# Altium PCB BalloonMBv1 - Copy.PcbDoc
Units mm, origin at the board's own origin, x right, y up, seen from the top; angles counter-clockwise.
Board outline 92.46 x 92.46 mm, 2 copper layers (Top Layer, Bottom Layer); 105 components, 108 nets, 436 pads, 95 vias.
Unrouted connection lines stored in the file: 132.
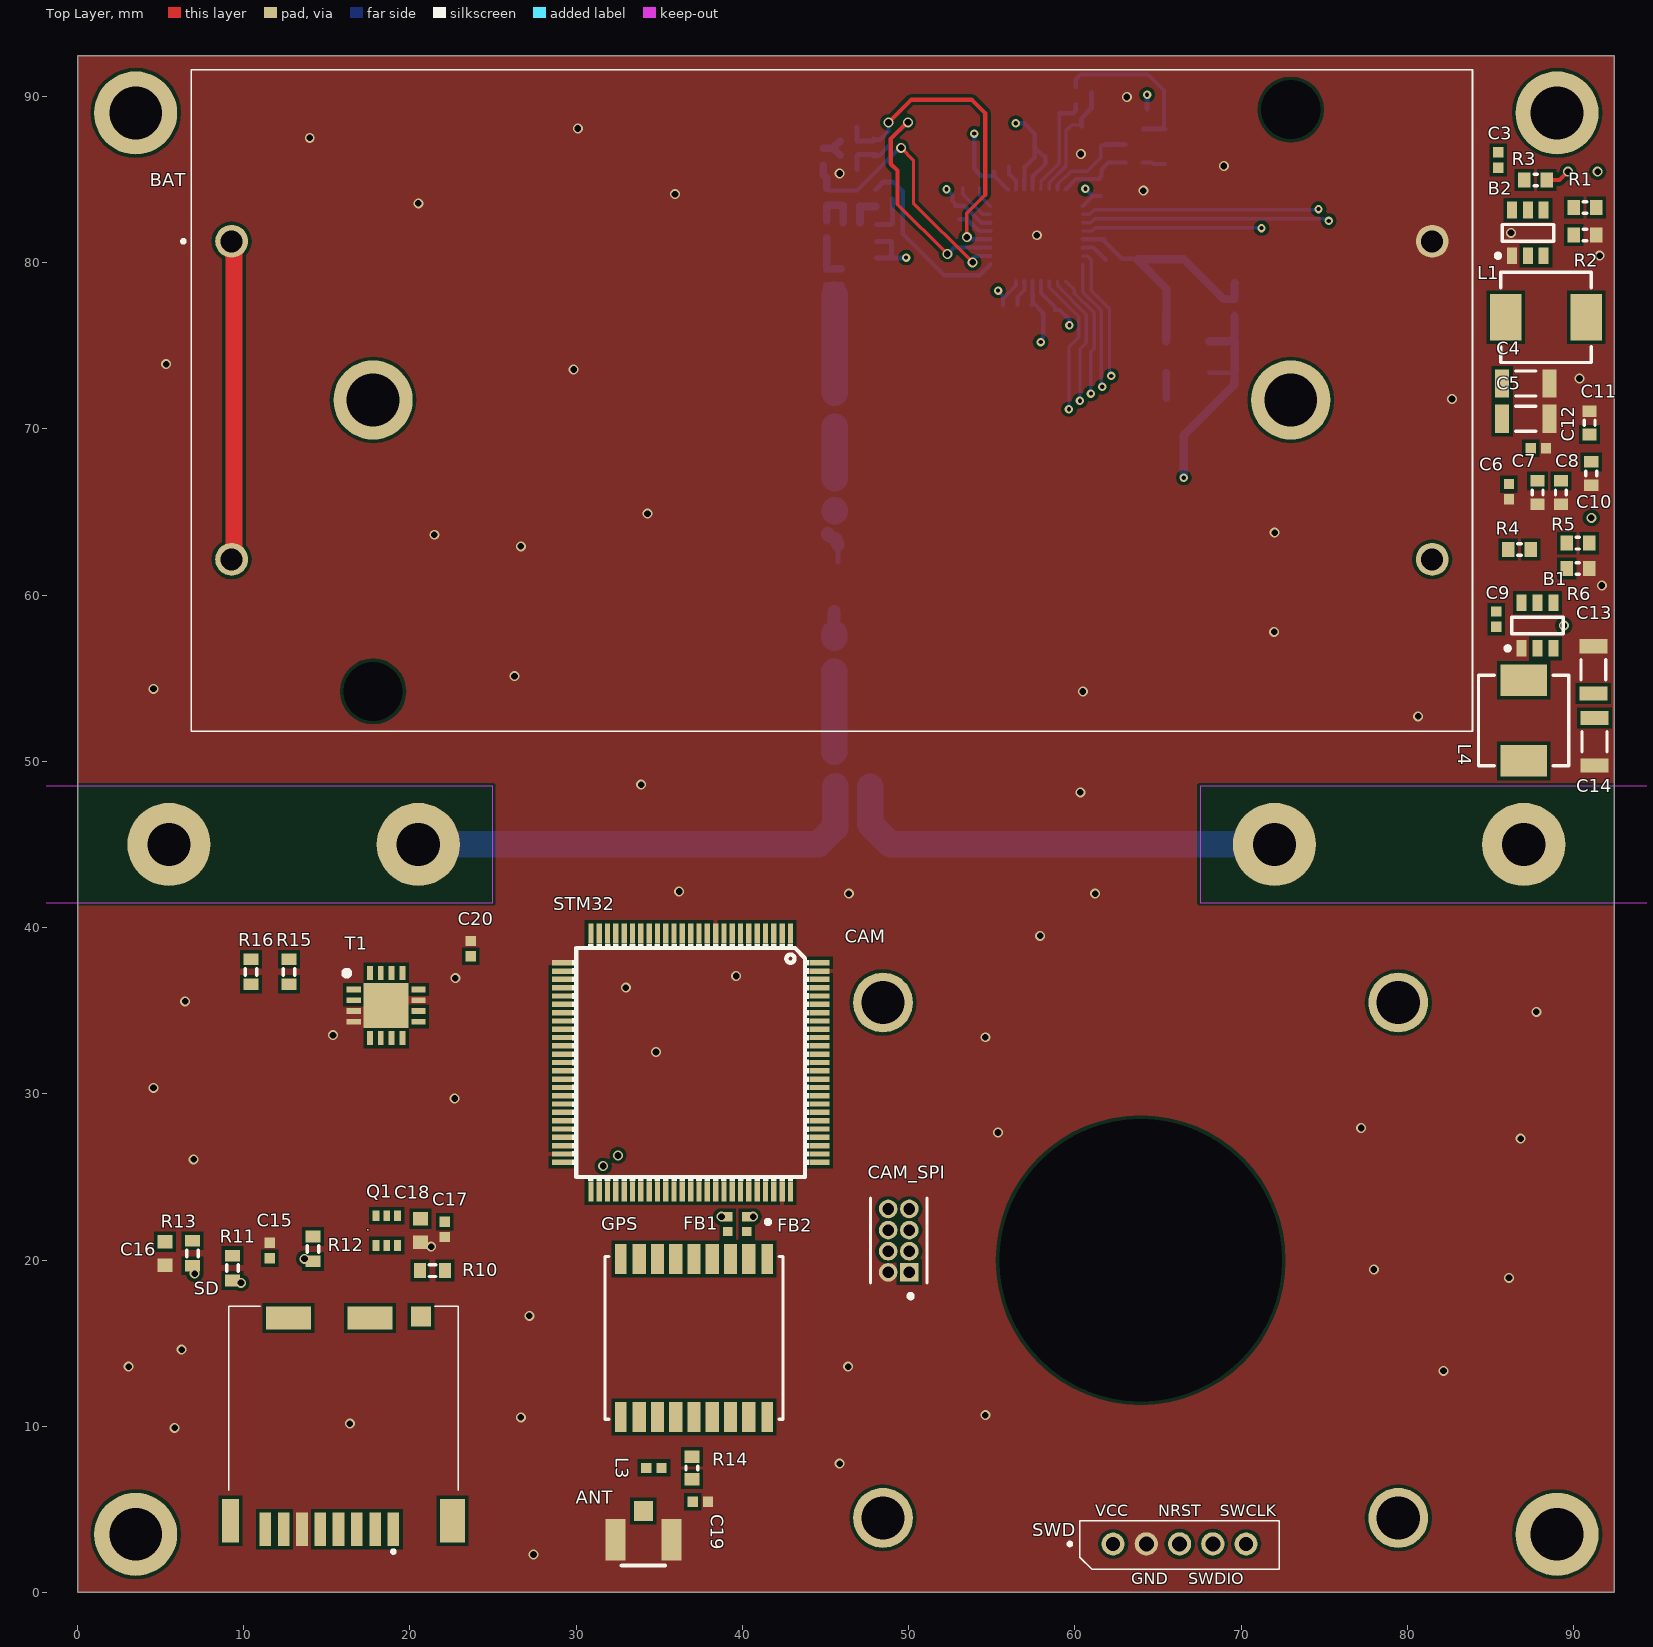
[diagram p0: Top Layer view]
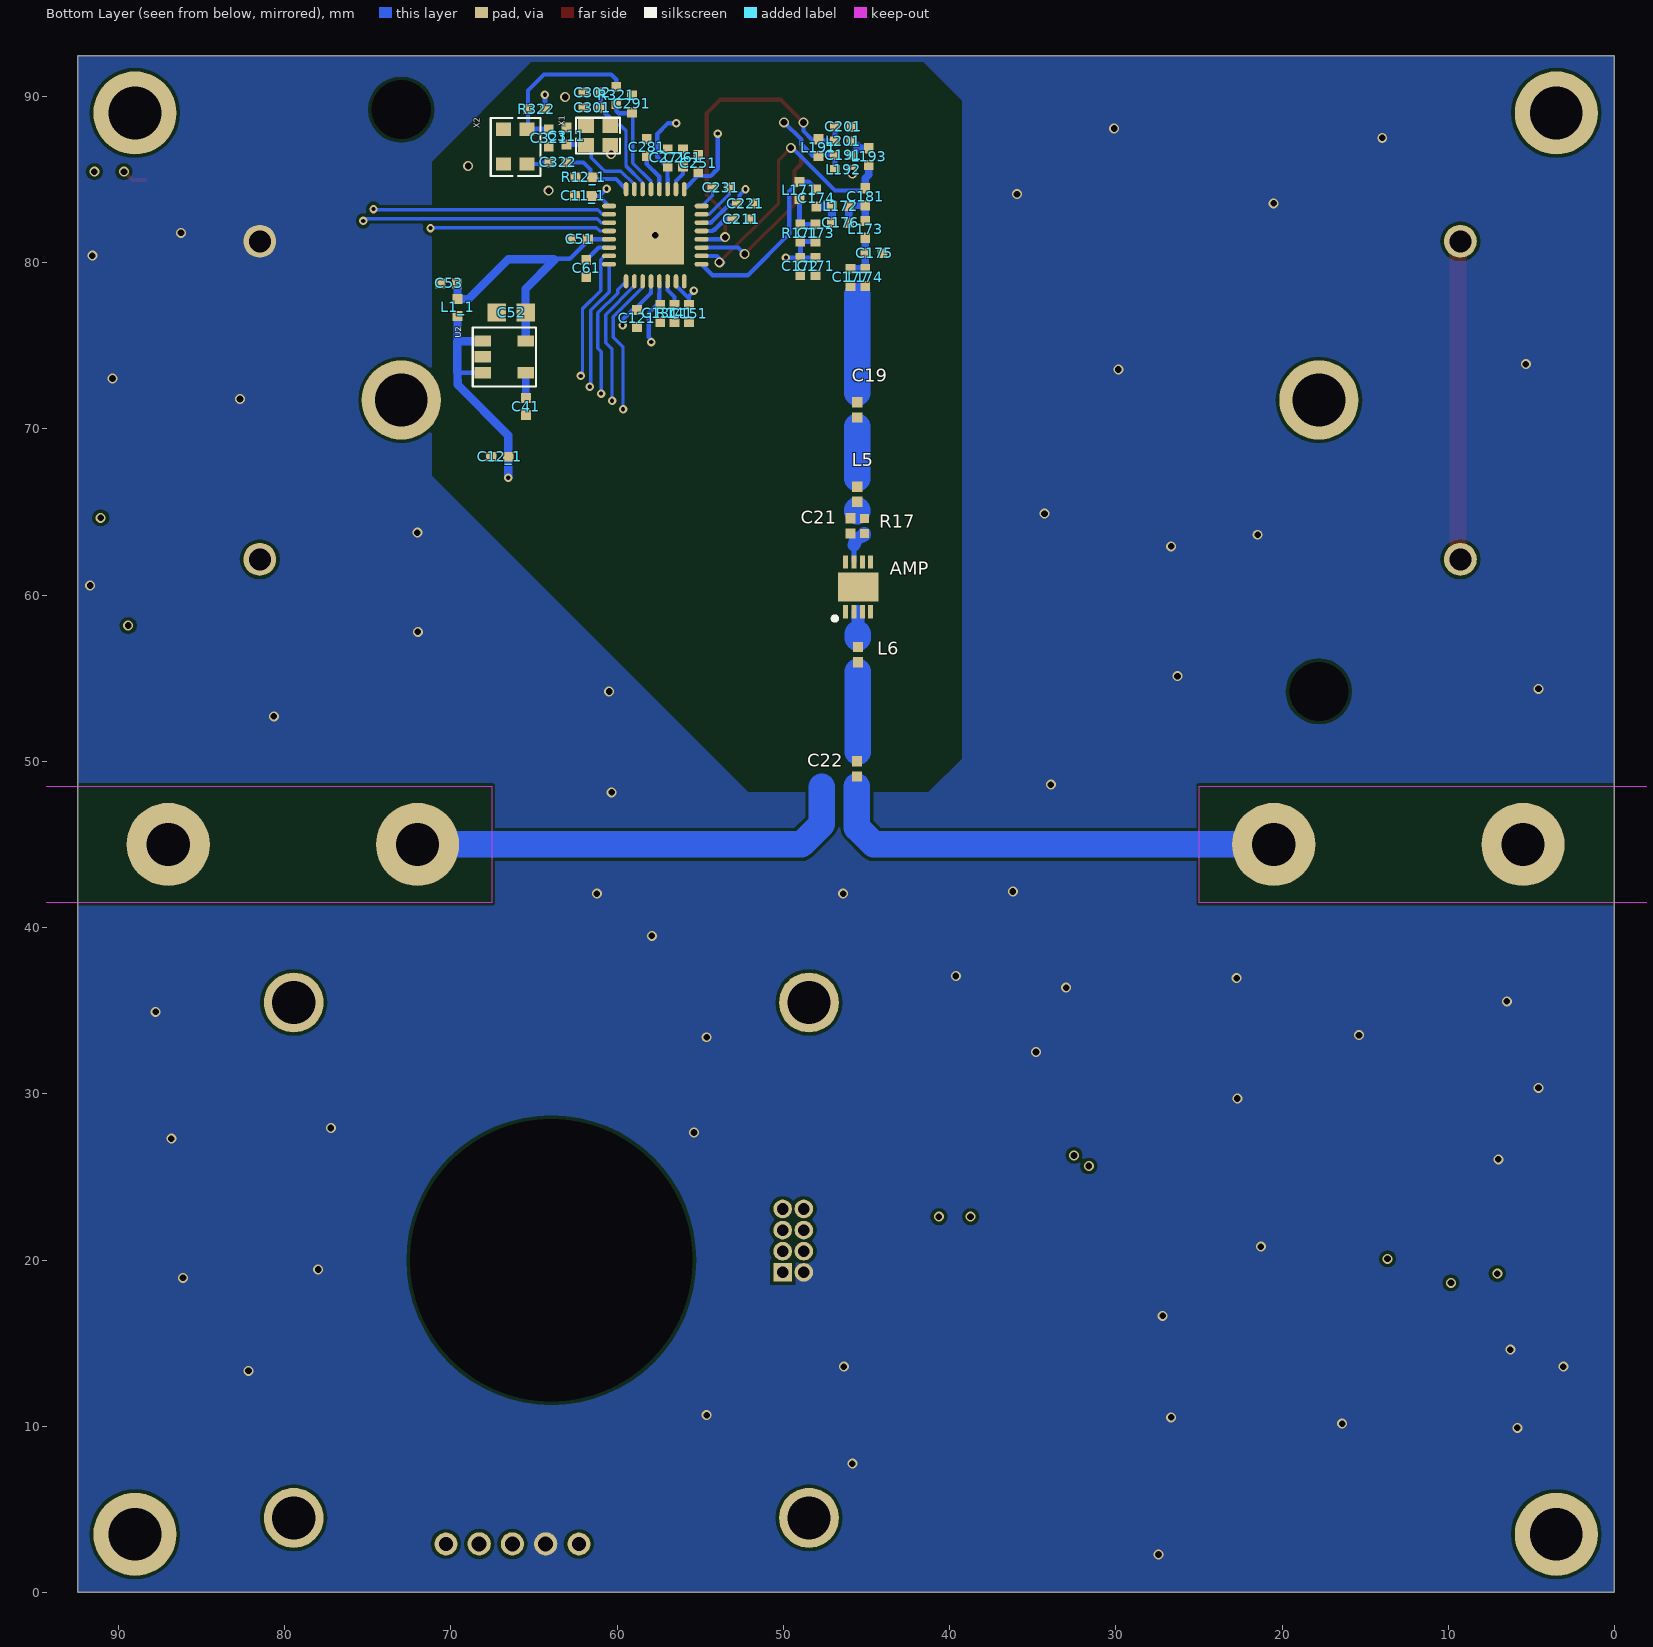
[diagram p1: Bottom Layer view, seen from below]

## Layer stack, top to bottom
Top Solder: solder mask 0.0102, Solder Resist, Dk 3.5
Top Layer: signal copper 0.0356
Dielectric 1: dielectric 0.32, FR-4, Dk 4.8
Bottom Layer: signal copper 0.0356
Bottom Solder: solder mask 0.0102, Solder Resist, Dk 3.5

## Board outline
0,0 92.456,0 92.456,92.456 0,92.456

## Design rules (kind name [scope] priority, off if disabled: settings)
Clearance [All] p1: gap=0.2 ignorepadtopadclearanceinfootprint=FALSE except(0.1: Arc-Arc Arc-Track Arc-SMDPad Track-Track Track-SMDPad SMDPad-SMDPad SMDPad-Hole THPad-THPad THPad-Hole)
ComponentClearance [All] p1: gap=0 collisioncheckmode=3 verticalgap=0 showdistances=FALSE
Height [All] p1: minheight=0 maxheight=40 prefheight=12.7
PolygonConnect [All] p1: connectstyle=Direct reliefconductorwidth=0.254 reliefentries=4 polygonreliefangle="90 Angle" airgapwidth=0.254
RoutingVias [All] p1: holewidth=0.711 width=1.27 viastyle="Through Hole" minholewidth=0.711 minwidth=1.27 maxholewidth=0.711 maxwidth=1.27
SolderMaskExpansion [All] p1: expansion=0.102
Width [All] p1: maxlimit=1.6 minlimit=0.1 preferedwidth=0.2 minimp=50.000000 maximp=50.000000 favimp=50.000000 checkconnectedcopper=TRUE
28 further rules are at their usual default settings.

## Components (designator, comment, footprint, x,y, rotation, side; value= is the part's Value field where it differs from the comment)
AMP "Comment" BGA6130 45.495,60.487 r90 bottom
ANT "Comment" RECE.20279.001E.01 34.036,3.175 r180 top
B1 "Comment" SOT95P280X110-6N 87.825,58.166 r90 top
B2 "Comment" SOT95P280X110-6N 87.249,81.788 r90 top
BAT "Comment" 1049P 9.271,81.28 r0 top locked
C3 "Comment" CAP_0402_M 85.471,86.167 r270 top
C4 "Comment" CAPC3216X09L 87.122,72.724 r0 top
C5 "Comment" CAPC3216X09L 87.122,70.612 r0 top
C6 "Comment" CAP_0402_M 86.106,66.215 r90 top
C7 "Comment" CAP_0603 87.825,66.167 r270 top
C8 "Comment" CAP_0603 89.237,66.167 r270 top
C9 "Comment" CAP_0402_M 85.344,58.547 r270 top
C10 "Comment" CAP_0603 91.059,67.31 r270 top
C11 "Comment" CAP_0603 90.953,70.358 r90 top
C11_1 "Comment" "0402 (REFLOW LF)" 62.028,84.005 r180 bottom
C12 "Comment" CAP_0402_M 87.876,68.834 r180 top
C12_1 "Comment" "0402 (REFLOW LF)" 67.056,68.326 r0 bottom
C13 "Comment" CAPC3216X09L 91.186,55.499 r90 top
C14 "Comment" CAPC3216X09L 91.254,51.181 r270 top
C15 "Comment" CAP_0402_M 11.557,20.574 r90 top
C16 "Comment" 1608[0603] 5.272,20.392 r90 top
C17 "Comment" CAP_0402_M 22.098,21.844 r90 top
C18 "Comment" 1608[0603] 20.631,21.774 r90 top
C19 "Comment" CAP_0402_M 45.545,71.143 r90 bottom
C19 "Comment" CAP_0402_M 37.465,5.461 r0 top
C20 "Comment" CAP_0402_M 23.647,38.735 r90 top
C21 "Comment" CAP_0402_M 45.952,64.158 r90 bottom
C22 "Comment" CAP_0402_M 45.571,49.54 r90 bottom
C41 "Comment" "0402 (REFLOW LF)" 65.483,71.335 r270 bottom
C51 "Comment" "0402 (REFLOW LF)" 62.267,81.404 r180 bottom
C52 "Comment" "0603 (REFLOW)" 66.372,76.994 r0 bottom
C53 "Comment" "0402 (REFLOW LF)" 70.131,78.747 r0 bottom
C61 "Comment" "0402 (REFLOW LF)" 61.85,79.646 r270 bottom
C121 "Comment" "0402 (REFLOW LF)" 58.802,76.639 r90 bottom
C131 "Comment" "0402 (REFLOW LF)" 57.405,76.937 r90 bottom
C151 "Comment" "0402 (REFLOW LF)" 55.678,76.931 r90 bottom
C171 "Comment" "0402 (REFLOW LF)" 48.063,79.768 r270 bottom
C172 "Comment" "0402 (REFLOW LF)" 48.977,79.768 r270 bottom
C173 "Comment" "0402 (REFLOW LF)" 48.063,81.774 r270 bottom
C174 "Comment" "0402 (REFLOW LF)" 48.012,83.883 r90 bottom
C175 "Comment" "0402 (REFLOW LF)" 44.532,80.555 r180 bottom
C176 "Comment" "0402 (REFLOW LF)" 46.564,82.384 r180 bottom
C177 "Comment" "0402 (REFLOW LF)" 45.952,79.112 r270 bottom
C181 "Comment" "0402 (REFLOW LF)" 45.065,83.959 r270 bottom
C191 "Comment" "0402 (REFLOW LF)" 46.392,86.448 r0 bottom
C201 "Comment" "0402 (REFLOW LF)" 46.392,88.156 r180 bottom
C211 "Comment" "0402 (REFLOW LF)" 52.529,82.608 r180 bottom
C221 "Comment" "0402 (REFLOW LF)" 52.275,83.548 r180 bottom
C231 "Comment" "0402 (REFLOW LF)" 53.748,84.513 r0 bottom
C251 "Comment" "0402 (REFLOW LF)" 55.119,85.961 r270 bottom
C261 "Comment" "0402 (REFLOW LF)" 56.034,86.291 r270 bottom
C271 "Comment" "0402 (REFLOW LF)" 56.948,86.291 r270 bottom
C281 "Comment" "0402 (REFLOW LF)" 58.218,86.926 r270 bottom
C291 "Comment" "0402 (REFLOW LF)" 59.107,89.542 r270 bottom
C301 "Comment" "0402 (REFLOW LF)" 61.495,89.313 r180 bottom
C302 "Comment" "0402 (REFLOW LF)" 61.495,90.228 r180 bottom
C311 "Comment" "0402 (REFLOW LF)" 63.044,87.612 r270 bottom
C321 "Comment" "0402 (REFLOW LF)" 64.111,87.485 r90 bottom
C322 "Comment" "0402 (REFLOW LF)" 63.56,86.022 r180 bottom
CAM "Comment" CAM 63.952,19.989 r270 top locked
CAM_SPI "Comment" Sullins_GRPB042VWVN-RC_0 49.403,21.166 r90 top
FB1 "Comment" RES_0402_M 39.116,22.156 r90 top
FB2 "Comment" RES_0402_M 40.259,22.156 r90 top
GPS "Comment" u-blox_0_MAX_M8Q 37.086,15.316 r90 top locked
L1 "Comment" Vishay_IHLP-2020CZ-FP_1_905x2_79-3D_3_0_MFG 88.336,76.708 r0 top
L1_1 "Comment" "0402 (REFLOW LF)" 69.597,77.299 r90 bottom
L3 "Comment" CAP_0402_M 34.671,7.493 r0 top
L4 "Comment" Vishay_IHLP-2020CZ-FP_1_905x2_79-3D_3_0_MFG 86.995,52.451 r270 top
L5 "Comment" CAP_0402_M 45.545,66.063 r90 bottom
L6 "Comment" CAP_0402_M 45.51,56.411 r90 bottom
L171 "Comment" "0402 (REFLOW LF)" 49.028,84.34 r270 bottom
L172 "Comment" "0402 (REFLOW LF)" 46.564,83.4 r0 bottom
L173 "Comment" "0402 (REFLOW LF)" 45.065,82.003 r90 bottom
L174 "Comment" "0402 (REFLOW LF)" 45.065,79.107 r90 bottom
L191 "Comment" "0402 (REFLOW LF)" 47.885,86.912 r90 bottom
L192 "Comment" "0402 (REFLOW LF)" 46.392,85.591 r0 bottom
L193 "Comment" "0402 (REFLOW LF)" 44.862,86.372 r90 bottom
L201 "Comment" "0402 (REFLOW LF)" 46.392,87.305 r0 bottom
Q1 "Comment" Si1401EDH 17.951,20.873 r0 top
R1 "Comment" RES_0603 90.678,83.312 r0 top
R2 "Comment" RES_0603 90.678,81.661 r0 top
R3 "Comment" RES_0603 87.711,84.963 r0 top
R4 "Comment" RES_0603 86.741,62.738 r0 top
R5 "Comment" RES_0603 90.254,63.119 r0 top
R6 "Comment" RES_0603 90.254,61.595 r0 top
R10 "Comment" J1-0603 21.355,19.361 r0 top
R11 "Comment" J1-0603 9.328,19.514 r90 top
R12 "Comment" J1-0603 14.162,20.665 r90 top
R12_1 "Comment" "0402 (REFLOW LF)" 61.998,85.125 r180 bottom
R13 "Comment" J1-0603 6.915,20.403 r90 top
R14 "Comment" RES_0603 36.957,7.493 r90 top
R15 "Comment" J1-0603 12.725,37.338 r90 top
R16 "Comment" J1-0603 10.439,37.338 r90 top
R17 "Comment" RES_0402_M 45.114,64.158 r90 bottom
R141 "Comment" "0402 (REFLOW LF)" 56.542,76.937 r270 bottom
R171 "Comment" "0402 (REFLOW LF)" 48.977,81.774 r270 bottom
R321 "Comment" "0402 (REFLOW LF)" 60.047,90.05 r270 bottom
R322 "Comment" "0402 (REFLOW LF)" 64.848,89.237 r180 bottom
SD "Comment" DM3CSSFPEJMS 16.002,10.16 r0 top
STM32 "Comment" LQFP100 36.886,31.88 r270 top locked
SWD "Comment" DF3A5P2DSA14 62.294,2.921 r180 top
T1 "Comment" QFN65P400X400X80-17N-D 18.567,35.306 r0 top
U2 "Comment" SOT23-5 66.778,74.327 r270 bottom
X1 "Comment" "XTAL_SMD_2x1_6 (2.0x1.6mm no paste reduction)" 61.139,87.637 r180 bottom
X2 "Comment" "TCXO_TG_5021CG (2.5x2mm)" 66.118,86.977 r270 bottom

## Footprints (in the part's own frame and the unit in brackets; to place one, negate y for a bottom-side part, rotate by r counter-clockwise, add the part's x,y. Pads: shape width x height; smd on the part's side, far side on the other; paste and mask are expansions set on the pad)
"0402 (REFLOW LF)" [mil]
  rect 24x23 smd paste+0 mask+6: 1(-20,0) 2(20,0)
"0603 (REFLOW)" [mm]
  rect 1.1x1.1 smd paste+0 mask+0.102: 1(-0.873,0) 2(0.873,0)
1049P [mm]
  round 1.98 hole 1.32: 1(0,0) 2(0,-19.13) 3(72.22,-19.13) 4(72.22,0)
  round 4.77 hole 3.18: 5(8.51,-9.55) 6(63.71,-9.55)
  round 1.775 hole 3.55 unplated: MH1(8.51,-27.08) MH2(63.71,7.92)
  silkscreen extent -3,-29.47 74.64,10.31, body extent -2.42,-29.47 74.64,10.31, height 14.95
1608[0603] [mm] "Chip Capacitor, Body 1.6x0.8mm, IPC High Density"
  rect 0.8x0.9 smd: 1(-0.7,0) 2(0.7,0)
  body extent -0.87,-0.48 0.87,0.48, height 1.3
BGA6130 [mm]
  rect 0.8x0.3 smd: 1(-1.5,0.75) 2(-1.5,0.25) 3(-1.5,-0.25) 4(-1.5,-0.75) 5(1.5,-0.75) 6(1.5,-0.25) 7(1.5,0.25) 8(1.5,0.75)
  rect 1.75x2.45 smd: 9(0,0)
  silkscreen extent -2.02,1.28 -1.78,1.53, body extent -1.55,-1.5 1.55,1.5, height 1
CAM [mm]
  round 3.6 hole 2.6: 4(-15.5,15.5) 4(-15.5,-15.5) 4(15.5,15.5) 4(15.5,-15.5)
  round 1.524 hole 17: 5(0,0)
  body extent -18.39,-18 18.39,18, height 22.95
CAP_0402_M [mm] "Chip Capacitor, 2-Leads, Body 1.00x0.50mm, IPC Medium Density"
  rect 0.62x0.62 smd: 1(-0.46,0) 2(0.46,0)
  body extent -0.5,-0.26 0.5,0.27, height 0.36
CAP_0603 [mm] "Chip Capacitor, 2-Leads, Body 1,6x0,8mm, IPC High Density"
  rect 0.7x0.85 smd: 1(-0.7,0) 2(0.7,0)
  silkscreen extent -0.15,-0.33 0.15,0.33, body extent -0.8,-0.42 0.8,0.38, height 0.7
CAPC3216X09L [mm] "Chip Capacitor, 2-Leads, Body 3.20x1.60mm, IPC High Density"
  rect 0.85x1.7 smd: 1(-1.425,0) 2(1.425,0)
  silkscreen extent -0.6,-0.75 0.6,0.75, body extent -1.7,-0.9 1.7,0.9, height 0.95
DF3A5P2DSA14 [mm]
  round 1.381 hole 0.85: 1(0,0) 5(-8,0)
  round 1.4 hole 0.9: 2(-2,0) 3(-4,0) 4(-6,0)
  silkscreen extent -10,-1.4 2.7,1.52
DM3CSSFPEJMS [mm]
  rect 0.7x2 smd: 1(3,-6.35) 2(1.9,-6.35) 3(0.8,-6.35) 4(-0.3,-6.35) 5(-1.4,-6.35) 6(-2.5,-6.35) 7(-3.6,-6.35) 8(-4.7,-6.35)
  rect 1x2.6 smd: 9(-6.8,-5.85)
  rect 1.5x2.6 smd: 10(6.55,-5.85)
  rect 1.2x1.2 smd: 11(4.65,6.45)
  rect 2.7x1.4 smd: 12(1.6,6.35) 13(-3.3,6.35)
  silkscreen extent -6.9,-7.8 6.9,7.05, body extent -7.2,-7.28 7.15,7.05, height 1.93
J1-0603 [mm] "Chip Resistor, Body 1.6x0.8mm, IPC High Density"
  rect 0.7x0.9 smd: 1(-0.75,0) 2(0.75,0)
  silkscreen extent -0.2,-0.35 0.2,0.35, body extent -0.85,-0.48 0.85,0.48, height 0.9
LQFP100 [mm]
  rect 1.2x0.32 smd: 1(-7.75,6) 2(-7.75,5.5) 3(-7.75,5) 4(-7.75,4.5) 5(-7.75,4) 6(-7.75,3.5) 7(-7.75,3) 8(-7.75,2.5) 9(-7.75,2) 10(-7.75,1.5) 11(-7.75,1) 12(-7.75,0.5) 13(-7.75,0) 14(-7.75,-0.5) 15(-7.75,-1) 16(-7.75,-1.5) 17(-7.75,-2) 18(-7.75,-2.5) 19(-7.75,-3) 20(-7.75,-3.5) 21(-7.75,-4) 22(-7.75,-4.5) 23(-7.75,-5) 24(-7.75,-5.5) 25(-7.75,-6) 51(7.75,-6) 52(7.75,-5.5) 53(7.75,-5) 54(7.75,-4.5) 55(7.75,-4) 56(7.75,-3.5) 57(7.75,-3) 58(7.75,-2.5) 59(7.75,-2) 60(7.75,-1.5) 61(7.75,-1) 62(7.75,-0.5) 63(7.75,0) 64(7.75,0.5) 65(7.75,1) 66(7.75,1.5) 67(7.75,2) 68(7.75,2.5) 69(7.75,3) 70(7.75,3.5) 71(7.75,4) 72(7.75,4.5) 73(7.75,5) 74(7.75,5.5) 75(7.75,6)
  rect 0.32x1.2 smd: 26(-6,-7.75) 27(-5.5,-7.75) 28(-5,-7.75) 29(-4.5,-7.75) 30(-4,-7.75) 31(-3.5,-7.75) 32(-3,-7.75) 33(-2.5,-7.75) 34(-2,-7.75) 35(-1.5,-7.75) 36(-1,-7.75) 37(-0.5,-7.75) 38(0,-7.75) 39(0.5,-7.75) 40(1,-7.75) 41(1.5,-7.75) 42(2,-7.75) 43(2.5,-7.75) 44(3,-7.75) 45(3.5,-7.75) 46(4,-7.75) 47(4.5,-7.75) 48(5,-7.75) 49(5.5,-7.75) 50(6,-7.75) 76(6,7.75) 77(5.5,7.75) 78(5,7.75) 79(4.5,7.75) 80(4,7.75) 81(3.5,7.75) 82(3,7.75) 83(2.5,7.75) 84(2,7.75) 85(1.5,7.75) 86(1,7.75) 87(0.5,7.75) 88(0,7.75) 89(-0.5,7.75) 90(-1,7.75) 91(-1.5,7.75) 92(-2,7.75) 93(-2.5,7.75) 94(-3,7.75) 95(-3.5,7.75) 96(-4,7.75) 97(-4.5,7.75) 98(-5,7.75) 99(-5.5,7.75) 100(-6,7.75)
  silkscreen extent -7.13,-7.13 7.11,7.11
QFN65P400X400X80-17N-D [mm]
  rect 0.85x0.35 smd: 1(-1.95,0.975) 2(-1.95,0.325) 3(-1.95,-0.325) 4(-1.95,-0.975) 9(1.95,-0.975) 10(1.95,-0.325) 11(1.95,0.325) 12(1.95,0.975)
  rect 0.35x0.85 smd: 5(-0.975,-1.95) 6(-0.325,-1.95) 7(0.325,-1.95) 8(0.975,-1.95) 13(0.975,1.95) 14(0.325,1.95) 15(-0.325,1.95) 16(-0.975,1.95)
  rect 2.7x2.7 smd: 17(0,0)
  silkscreen extent -2.54,1.79 -2.21,2.11, body extent -2.05,-2.05 2.05,2.05, height 0.8
RECE.20279.001E.01 [mm]
  rect 1.2x2.5 smd: 1(-1.685,0) 2(1.685,0)
  rect 1.15x1.2 smd: 3(0,-1.73)
  silkscreen extent -1.3,1.55 1.3,1.55
RES_0402_M [mm] "Chip Resistor, 2-Leads, Body 1.00x0.50mm, IPC Medium Density"
  rect 0.55x0.55 smd: 1(-0.45,0) 2(0.45,0)
  body extent -0.52,-0.3 0.52,0.3, height 0.34
RES_0603 [mm] "Chip Resistor, 2-Leads, Body 1,6x0,8mm, IPC High Density"
  rect 0.75x0.9 smd: 1(-0.675,0) 2(0.675,0)
  silkscreen extent -0.1,-0.35 0.1,0.35, body extent -0.82,-0.48 0.72,0.38, height 0.45
Si1401EDH [mm]
  rect 0.406x0.648 smd mask+0.05: 1(0,0) 2(0.648,0) 3(1.296,0) 4(0,1.79) 5(0.648,1.79) 6(1.296,1.79)
SOT23-5 [mil]
  rect 27x39 smd paste+0 mask+0: 1(-37.5,-51) 2(0,-51) 3(37.5,-51) 4(37.5,51) 5(-37.5,51)
  silkscreen extent -70,-75 70,75
SOT95P280X110-6N [mm] "SOT23, 6-Leads, Body 2.90x2.80mm, Pitch 0.95mm, IPC Medium Density"
  rect 1x0.6 smd: 1(-1.375,0.95) 2(-1.375,0) 3(-1.375,-0.95) 4(1.375,-0.95) 5(1.375,0) 6(1.375,0.95)
  silkscreen extent -1.5,-1.55 0.5,1.92, body extent -1.46,-1.48 1.35,1.52, height 0.86
Sullins_GRPB042VWVN-RC_0 [mm]
  rect 1.12x1.12 hole 0.7 paste-1000 mask+0: 1(-1.905,-0.635)
  round 1.12 hole 0.7 paste-1000 mask+0: 2(-1.905,0.635) 3(-0.635,-0.635) 4(-0.635,0.635) 5(0.635,-0.635) 6(0.635,0.635) 7(1.905,-0.635) 8(1.905,0.635)
  silkscreen extent -3.46,-1.7 2.54,1.7, body extent -2.79,-1.95 2.79,1.95, height 0.25
"TCXO_TG_5021CG (2.5x2mm)" [mm]
  rect 0.8x0.9 smd paste-0.1 mask+0.1: 1(-1.05,-0.7) 2(1.05,-0.7) 3(1.05,0.7) 4(-1.05,0.7)
  silkscreen extent -1.73,-1.48 1.77,1.52
u-blox_0_MAX_M8Q [mm]
  rect 1.8x0.7 smd: 1(4.75,-4.4) 9(4.75,4.4) 10(-4.75,4.4) 18(-4.75,-4.4)
  rect 1.8x0.8 smd: 2(4.75,-3.3) 3(4.75,-2.2) 4(4.75,-1.1) 5(4.75,0) 6(4.75,1.1) 7(4.75,2.2) 8(4.75,3.3) 11(-4.75,3.3) 12(-4.75,2.2) 13(-4.75,1.1) 14(-4.75,0) 15(-4.75,-1.1) 16(-4.75,-2.2) 17(-4.75,-3.3)
  silkscreen extent -4.9,-5.35 7.1,5.35, body extent -2.54,-2.54 2.54,2.54, height 0.25
Vishay_IHLP-2020CZ-FP_1_905x2_79-3D_3_0_MFG [mm]
  rect 1.905x2.79 smd paste+0 mask+0: 1(-2.425,0) 2(2.425,0)
  silkscreen extent -2.72,-2.72 2.72,2.72, body extent -3.48,-2.82 3.48,2.82, height 0.25
"XTAL_SMD_2x1_6 (2.0x1.6mm no paste reduction)" [mm]
  rect 0.953x0.851 smd paste+0 mask+0.099: 1(-0.725,-0.575) 2(0.725,-0.575) 3(0.725,0.575) 4(-0.725,0.575)
  silkscreen extent -1.33,-1.09 1.32,1.07

## Part data
C3 C6 C9 C12 C15 C17 C20: "0.1u"
C4 C5 C13 C14: "22u"
C7 C8 C10 C11 C16 C18: "10u"
C11_1 C51 C121 C131 C151 C221 C251 C261 C271 C281 C291: library part C_47N_0402_X7R_K_25, "Capacitor 0402"
C12_1 C321: library part C_100N_0402_X5R_K_10, "Capacitor 0402"
C19 C21 C22: "1nF"
C19: "10n"
C41 C171 C211: library part C_10N_0402_X7R_K_25, "Capacitor 0402"
C52: library part C_2U2_0603_X5R_K_10, "Capacitor 0603"
C53 C177 C302: library part C_0402, "Capacitor 0402, general"
C61: library part C_220N_0402_X5R_K_10, "Capacitor 0402"
C172: library part C_100P_0402_NP0_J_50, "Capacitor 0402"
C173: library part C_56P_0402_NP0_J_50, "Capacitor 0402"
C174: library part C_39P_0402_NP0_J_50, "Capacitor 0402"
C175: library part C_6P2_0402_NP0_C_50, "Capacitor 0402"
C176: library part C_2P2_0402_NP0_C_50, "Capacitor 0402"
C181 C191 C201: library part C_5P1_0402_NP0_C_50, "Capacitor 0402"
C231: library part C_1N8_0402_U2J_J_10, "Capacitor 0402"
C301 C311: library part C_15P_0402_NP0_J_50, "Capacitor, 0402"
C322: library part C_22P_0402_NP0_J_50, "Capacitor 0402"
L1 L4: "3.3uH"
L1_1: library part L_BEAD_102_0402, "EMI filter bead, BLM15HG102SN1D"
L3: "27n"
L5 L6: "15nH"
L171 L191: library part L_56N_0402_J_LQW, "Inductor, 56nH, 0402, Wire-wound type, +/-5%"
L172 L193: library part L_15N_0402_J_LQW, "Inductor, 15nH, 0402, Wire-wound type, +/- 5%"
L173: library part L_43N_0402_J_LQW, "Inductor, 43nH, 0402; Wire-wound type, +/- 5%"
L174: library part L_22N_0402_J_LQW, "Inductor, 22nH, 0402, Wire-wound type, +/- 5%"
L192 L201: library part L_27N_0402_J_LQW, "Inductor, 22nH, 0402, Wire-wound type, +/- 5%"
R1: "54.9k"
R2 R6 R15 R16: "10k"
R3 R4: "1K"
R5: "33.2k"
R10: "100k"
R11 R13: "47K"
R12: "47k"
R12_1 R322: library part R_0_0402, "Resistor, 0402"
R14: "10"
R141: library part R_56K_0402_F, "Resistor 0402"
R171: library part R_18_0402_J, "Resisitor 0402"
R321: library part R_0402, "Resistor 0402, general"
STM32: "?STM32F767VIT6?"
U2: library part TPS79930, "LDO 3V low noise"
X1: library part X_32.000/10/20/60/10, "Epson Toyocom FA128 32 MHz 2x1.6mm 10 pF, -40/85C, Q22FA1280009200"
X2: library part TG_5021CG, "EpsonToyocom miniature size TCXO 2.5x2.0mm"

## Free pads (board coordinates)
  oval 0.85x0.28 smd far side paste+0 mask+0.14: 1(60.479,83.402) 2(60.479,82.902) 3(60.479,82.402) 4(60.479,81.902) 5(60.479,81.402) 6(60.479,80.902) 7(60.479,80.402) 8(60.479,79.902) 17(54.917,79.902) 18(54.917,80.402) 19(54.917,80.902) 20(54.917,81.402) 21(54.917,81.902) 22(54.917,82.402) 23(54.917,82.902) 24(54.917,83.402)
  round 5 hole 3.18: 7(3.5,3.5) 7(3.5,89) 7(89,3.5) 7(89,89)
  round 5 hole 2.6: 8(5.5,45) 8(20.5,45) 8(72,45) 8(87,45)
  oval 0.28x0.85 smd far side paste+0 mask+0.14: 9(59.458,78.874) 10(58.958,78.874) 11(58.458,78.874) 12(57.958,78.874) 13(57.458,78.874) 14(56.958,78.874) 15(56.458,78.874) 16(55.958,78.874) 25(55.958,84.412) 26(56.458,84.412) 27(56.958,84.412) 28(57.458,84.412) 29(57.958,84.412) 30(58.458,84.412) 31(58.958,84.412) 32(59.458,84.412)
  rect 3.5x3.5 smd far side paste-3.5 mask+0: 33(57.71,81.643)

## Via types
v1: diameter 0.6, hole 0.4, Top Layer to Bottom Layer, 77 vias
v2: diameter 0.508, hole 0.254, Top Layer to Bottom Layer, 18 vias

## Nets (pads, with @x,y where several pads share a name; then routed paths per layer and width w, separated by ;. In a path a pad name is that pad's centre, name@x,y a point inside that pad or via, vN(x,y) a via of type N, cw(c..) or ccw(c..) an arc to the next point about the centre after c; other vN are vias at no path point)
5V: C4.1 C5.1 CAM_SPI.1 L1.1 R1.2
  other v1: 91.44,85.471
CC_CLK: pad.8@60.479,79.902 STM32.29 | length 7.7
  Bottom Layer w0.203: pad.8@60.474,79.897 60.479,78.23 61.571,77.137 v2@61.571,72.651
  other v2: 61.647,72.524
CC_CSn: pad.11 STM32.28 | length 8.7
  Bottom Layer w0.203: pad.11@58.453,78.87 58.458,78.519 60.225,76.752 60.225,75.496 59.641,74.912 v2(59.641,71.178)
CC_GPIO0: pad.10 | length 8.1
  Bottom Layer w0.203: pad.10@58.953,78.87 58.958,78.594 60.682,76.87 60.682,75.166 60.301,74.785 v2(60.301,71.686)
CC_GPIO2: pad.4 STM32.24 | length 10.9
  Bottom Layer w0.203: pad.4@60.474,81.897 61.042,81.901 61.241,82.1 v2@71.274,82.1
  other v2: 71.223,82.074
CC_GPIO3: pad.3 STM32.25 | length 14.9
  Bottom Layer w0.203: pad.3@60.474,82.397 60.958,82.401 61.19,82.633 v2@75.262,82.633
  other v2: 75.262,82.506
CC_MISO: pad.9 STM32.30 | length 7.5
  Bottom Layer w0.203: pad.9@59.453,78.87 59.968,78.364 59.968,78.165 61.165,76.969 61.165,74.835 60.961,74.632 v2(60.961,72.118)
CC_MOSI: pad.7@60.479,80.402 STM32.31 | length 8
  Bottom Layer w0.203: pad.7@60.474,80.397 60.755,80.401 60.987,80.169 60.987,78.315 62.079,77.223 v2@62.079,73.184
  other v2: 62.181,73.184
CC_RESETN: pad.2 | length 14.1
  Bottom Layer w0.203: pad.2@60.474,82.913 60.895,82.913 61.149,83.167 v2@74.449,83.167
  other v2: 74.652,83.217
D+: 
D-: 
EN_AMP: AMP.6
EN_B1: B1.5 R4.2
EN_B2: B2.5 R3.1
FLASH: CAM_SPI.4
GND: AMP.9 ANT.1 ANT.2 B1.1 B2.1 BAT.4 C4.2 C5.2 C6.1 C7.2 C8.2 C10.2 C11.2 C11_1.1 C12.1 C12_1.2 C13.2 C14.2 C15.2 C16.1 C17.1 C18.1 C19.2@37.925,5.461 C20.2 C41.2 C51.1 C52.2 C53.2 C61.2 C121.1 C131.1 C151.1 C171.2 C172.2 C175.2 C201.2 C211.2 C221.2 C251.1 C261.1 C271.1 C281.1 C291.1 C301.1 C302.1 C311.1 C321.1 CAM_SPI.2 L192.1 pad.33 R2.2 R6.2 R12_1.1 R141.2 SD.6 STM32.10 STM32.26 STM32.49 STM32.74 STM32.99 SWD.2 T1.3 T1.4 T1.11 T1.17 U2.2 X1.2 X1.4 X2.1 X2.2
  other v1: 27.432,2.286 45.847,7.747 5.842,9.906 16.379,10.16 26.67,10.541 54.61,10.668 82.169,13.335 3.076,13.589 46.355,13.589 6.265,14.605 27.178,16.637 86.106,18.923 77.978,19.431 21.274,20.802 6.985,26.051 86.809,27.305 55.373,27.671 77.216,27.94 22.691,29.718 4.572,30.353 34.798,32.512 54.61,33.401 15.367,33.528 87.757,34.925 6.477,35.56 32.983,36.38 22.733,36.957 39.624,37.084 57.912,39.497 46.4,42.037 61.214,42.037 36.195,42.164 60.325,48.133 33.909,48.597 80.645,52.705 60.479,54.2 4.572,54.356 26.289,55.118 71.987,57.785 91.694,60.579 26.67,62.928 21.463,63.627 72.009,63.754 34.29,64.897 82.677,71.79 90.354,73.025 29.845,73.567 5.334,73.89 91.567,80.413 57.71,81.643 86.233,81.788 20.5,83.566 35.941,84.119 64.111,84.328 45.847,85.359 68.961,85.808 60.352,86.527 13.97,87.503 30.099,88.066 63.119,89.959
ICQ_ADj: AMP.8
MID_BAT: BAT.1 BAT.2 | length 19.1
  Top Layer w1: BAT.2@9.414,62.048 BAT.1@9.414,81.178
MSL2: C19.1@45.545,70.683 L5.2 | length 3.1
  Bottom Layer w1.6: 45.541,67.027 45.541,70.127
MSL2.5: C21.2 L5.1 R17.2 | length 0
  Bottom Layer w1.6: 45.545,65.047 45.545,65.095
MSL3: 
MSL4: 
MSL5: C22.2 L6.1 | length 4.8
  Bottom Layer w1.6: 45.527,50.584 45.527,55.384
MSL6: 
NewNet1: C175.1 C177.1 L173.1 L174.2 | length 2.8
  Bottom Layer w0.457: C175.1 C175.1@45.065,80.555 ; L174.2 L174.2@45.065,79.62 ; L173.1 C175.1@45.065,80.555 ; C177.1 L174.2@45.065,79.62 ; L174.2@45.065,79.62 C175.1@45.065,80.555
NewNet2: C191.2 L191.1 L192.2 pad.19 | length 17.6
  Top Layer w0.2: 49.324,83.518 v1(52.324,80.518)
  Top Layer w0.254: 49.324,83.518 49.324,85.536 48.915,85.944 48.915,87.444 49.324,87.852 v1@49.93,88.459
  Bottom Layer w0.254: L191.1 47.885,86.397 47.986,86.397 L191.1@48.037,86.448 ; 48.244,86.448 48.915,87.119 48.915,87.394 v1(49.956,88.434) ; v1(52.324,80.518) 52.338,80.518 52.721,80.901 54.429,80.901 pad.19@54.911,80.897
  Bottom Layer w0.305: L192.2 C191.2 46.907,86.499 L191.1@48.037,86.499 ; L191.1@48.037,86.448 48.244,86.448
NewNet3: C174.1 C176.1 L172.2 | length 2
  Bottom Layer w0.457: C176.1 L172.2@47.072,83.375 ; L172.2 L172.2@47.072,83.375 ; C174.1 L172.2@47.072,83.375
NewNet4: C176.2 C181.2 L172.1 L173.2 | length 3
  Bottom Layer w0.457: L173.2 C181.2 46.056,83.451 L172.1 C176.2
NewNet5: 
NewNet6: C311.2 pad.31 X1.1 | length 5.8
  Bottom Layer w0.203: pad.31@58.968,84.665 58.968,84.704 59.768,85.503 60.733,85.503 61.546,86.316 61.546,87.062 X1.1
  Bottom Layer w0.254: pad.31@58.953,84.407 pad.31@58.968,84.665
  Bottom Layer w0.305: X1.1 61.864,87.104 C311.2
NewNet7: 
NewNet8: 
NewNet9: C19.2@45.545,71.603 C177.2 L174.1 | length 7.4
  Bottom Layer w0.457: 45.541,78.173 45.068,78.602 45.065,78.604 C177.2
  Bottom Layer w1.6: 45.541,72.16 45.541,78.06
NewNet10: C41.1 U2.4 | length 1.5
  Bottom Layer w0.457: C41.1 U2.4
NewNet11: 
NewNet12: C181.1 L193.1 pad.18 | length 17.3
  Top Layer w0.2: v1(49.542,86.905) 50.287,86.16 50.287,83.571 v1(53.848,80.01)
  Bottom Layer w0.254: C181.1@45.065,84.518 45.243,84.34 46.894,84.34 v1@49.41,86.856 ; v1(53.848,80.01) 53.6,80.01 53.988,80.398 pad.18@54.911,80.398
  Bottom Layer w0.457: L193.1 44.862,85.28 45.065,85.076 45.065,84.518 C181.1
NewNet13: C261.2 pad.26 | length 1.6
  Bottom Layer w0.254: C261.2 56.034,85.326 56.458,84.902 pad.26@56.453,84.407
NewNet14: C322.1 X2.3 | length 1.4
  Bottom Layer w0.254: C322.1 64.609,86.022 64.704,85.927 X2.3
NewNet15: C322.2 pad.32 R12_1.2 | length 4.6
  Bottom Layer w0.254: pad.32@59.453,84.407 60.067,85.021 61.49,85.021 R12_1.2@61.49,85.072 ; R12_1.2 R12_1.2@61.49,85.072 ; C322.2 62.013,86.022 61.596,85.605 61.596,85.178 R12_1.2@61.49,85.072
NewNet16: C321.2 R321.1 R322.1 X2.4 | length 10
  Bottom Layer w0.254: R321.1 60.047,91.015 60.352,91.32 64.393,91.32 65.356,90.358 R322.1 X2.4@65.356,88.027
  Bottom Layer w0.305: C321.2 64.111,88.027 65.356,88.027 X2.4
NewNet17: C174.2 L171.1 pad.17 | length 11.2
  Bottom Layer w0.254: L171.1 49.071,84.848 49.647,84.272 49.647,81.726 52.133,79.239 54.254,79.239 pad.17
  Bottom Layer w0.3: C174.2 48.469,84.848 L171.1
NewNet18: C173.1 L171.2 R171.1 | length 2.5
  Bottom Layer w0.305: C173.1 R171.1@48.952,82.282 ; R171.1 R171.1@48.952,82.282 ; L171.2 49.028,82.359 R171.1@48.952,82.282
NewNet19: C301.2 C302.2 pad.30 X1.3 | length 7.3
  Bottom Layer w0.203: pad.30@58.453,84.407 58.458,84.437 58.458,84.804 59.463,85.808 59.463,87.942 59.793,88.272 X1.3@60.403,88.272
  Bottom Layer w0.305: X1.3 60.403,88.224 60.403,88.272 60.403,88.678 60.987,89.263 C301.2 C302.2
NewNet20: C291.2 pad.29 R321.2 | length 6.6
  Bottom Layer w0.203: pad.29@57.953,84.407 57.959,84.462 57.959,84.889 59.056,85.986 C291.2@59.056,88.983
  Bottom Layer w0.254: C291.2 59.056,88.983 59.895,88.983 60.047,89.136 R321.2
NewNet21: 
NewNet22: C171.1 C172.1 C173.2 R171.2 | length 3.7
  Bottom Layer w0.305: C171.1 C172.1 ; C173.2 R171.2 C172.1 ; v2(49.841,80.301) 49.815,80.276 C172.1
NewNet23: C191.1 L193.2 L201.1 | length 1.8
  Bottom Layer w0.457: L193.2 45.404,86.88 45.432,86.907 ; C191.1 45.432,86.907 ; L201.1 45.432,86.907
NewNet24: C201.1 L191.2 L201.2 pad.20 | length 19.7
  Top Layer w0.2: v1(53.493,81.531) 53.493,82.967 54.61,84.084
  Top Layer w0.254: v1(48.785,88.427) 50.147,89.789 53.799,89.789 54.61,88.978 54.61,84.084
  Bottom Layer w0.254: L191.2@47.885,87.388 48.266,87.388 48.785,87.907 v1(48.785,88.427) ; v1(53.493,81.531) 53.623,81.401 54.268,81.401 pad.20@54.911,81.397
  Bottom Layer w0.305: C201.1 L201.2 47.885,87.312 47.885,87.388 L191.2
NewNet25: pad.14 R141.1 | length 1.6
  Bottom Layer w0.254: R141.1 56.542,77.934 56.958,78.35 pad.14@56.953,78.87
NewNet26: C231.1 pad.23 | length 2.6
  Bottom Layer w0.203: C231.1 53.24,84.119 54.457,82.901 54.705,82.901 pad.23@54.911,82.897
NewNet27: C231.2 pad.24 | length 1.4
  Bottom Layer w0.203: C231.2 54.256,84.053 pad.24@54.911,83.397
NewNet28: C61.1 pad.6 | length 1.7
  Bottom Layer w0.254: pad.6@60.474,80.897 61.103,80.901 C61.1
NewNet29: C211.1 pad.21 | length 2.2
  Bottom Layer w0.254: C211.1 53.493,82.608 54.128,81.973 54.18,81.973 54.26,81.892 pad.21@54.911,81.897
NewNet30: 
NewNet31: 
NewNet32: 
NewNet33: 
NewNet34: 
NewNet35: 
NewNet36: 
NRST: STM32.14 SWD.3
R_BIAS_GPS: C19.1@37.005,5.461 L3.2 R14.1
RESET_GPS: 
RF_IN_AMP: AMP.7 C21.1 R17.1 | length 1.9
  Bottom Layer w0.254: R17.1 45.131,63.691 R17.1@45.256,63.567
  Bottom Layer w0.3: AMP.7@45.741,61.999 45.741,62.69
  Bottom Layer w0.8: R17.1@45.131,63.708 45.131,63.691 45.131,63.611 45.629,63.359 45.741,63.015
RF_IN_GPS: ANT.3 GPS.11 L3.1
RF_OUT_AMP: AMP.2 AMP.3 L6.2 | length 1.6
  Bottom Layer w0.8: 45.51,57.659 45.51,58.999
  Bottom Layer w1.6: 45.51,57.427 45.51,57.659
RX_GPS: FB1.1 GPS.3
SAFEBOOT_GPS: 
SCL_CAM: CAM_SPI.7 STM32.92
SCL_GPS: 
SCL_TEMP: R15.1 STM32.46 T1.1
SD_CLK: R11.1 SD.5
  other v1: 9.836,18.625
SD_DAT1: R13.1 SD.7
  other v1: 7.05,19.184
SD_DAT2: SD.8
SD_DO: R12.1 SD.3
  other v1: 13.654,20.066
SD_EN: Q1.3 R10.1
SD_VDD: C15.1 C16.2 Q1.1 Q1.2 Q1.4 Q1.5 R11.2 R12.2 R13.2 SD.4
SDA_CAM: CAM_SPI.8 STM32.93
SDA_GPS: 
SDA_TEMP: R16.1 STM32.47 T1.2
SSRX+: 
SSRX–: 
SSTX+: 
SSTX-: 
SW_B1: B1.2 C9.2 L4.1
SW_B2: B2.2 C3.1 L1.2
SWCLK: STM32.76 SWD.5
SWDIO: STM32.72 SWD.4
TIMEPULSE_GPS: 
TRIGGER: CAM_SPI.3
TX+: C22.1 pad.8@5.5,45 pad.8@20.5,45 | length 28
  Bottom Layer w1.6: pad.8@20.5,45 44.555,45 45.571,46.016 45.571,48.485
TX-: pad.8@72,45 pad.8@87,45 | length 27.1
  Bottom Layer w1.6: 47.683,48.456 47.683,46.228 48.911,45 pad.8@72,45
TX_GPS: FB2.1 GPS.2
USART1_RX: FB1.2 STM32.54
  other v1: 38.735,22.606 32.512,26.289
USART1_TX: FB2.2 STM32.53
  other v1: 40.64,22.606 31.623,25.654
V_BCKUP_GPS: 
VBST_B1: B1.6 C9.1
VBST_B2: B2.6 C3.2
VBUS_USB: 
VCC: AMP.5 C12_1.1 C13.1 C14.1 C17.2 C18.2 C20.1 GPS.6 GPS.7 GPS.8 L1_1.1 L4.2 Q1.6 R5.2 R10.2 R15.2 R16.2 STM32.11 STM32.27 STM32.50 STM32.75 STM32.100 SWD.1 T1.12 U2.1 U2.3 | length 14.1
  Bottom Layer w0.254: U2.3 69.599,73.375 69.6,73.413
  Bottom Layer w0.508: v2(66.549,67.056) 66.549,69.616 69.59,72.657 69.599,73.375 69.6,73.413 69.623,75.28 69.597,75.28 ; U2.1 69.597,75.28 ; L1_1.1 69.597,75.28
  other v1: 91.059,64.643
VCC_CC: C11_1.2 C51.2 C52.1 C53.1 C121.2 C131.2 C151.2 C221.1 C251.2 C271.2 C281.2 L1_1.2 pad.1 pad.5 pad.12 pad.13 pad.15 pad.22 pad.25 pad.27 pad.28 R322.2 U2.5 | length 47.5
  Bottom Layer w0.254: v2(52.275,84.411) 52.277,84.411 52.63,84.059 52.63,83.7 C221.1 52.783,83.421 53.327,83.421 54.318,82.43 54.369,82.43 54.398,82.401 54.437,82.401 pad.22@54.911,82.397 ; v2(53.939,87.759) 53.939,85.642 54.366,85.215 55.164,85.215 pad.25@55.953,84.407 ; C251.2 55.164,85.453 C251.2@55.164,85.326 ; v2(55.373,78.315) 55.348,78.315 55.678,77.985 55.678,77.756 ; v2(56.438,88.385) 56.937,88.385 57.583,87.739 57.583,86.926 ; pad.15@56.453,78.87 56.458,78.627 55.678,77.848 C151.2@55.678,77.579 ; pad.27@56.953,84.407 56.958,85.773 C271.2 57.024,85.783 57.583,86.342 57.583,86.37 57.583,86.926 ; C131.2 C131.2@57.456,77.502 ; pad.13@57.453,78.87 C131.2@57.456,77.502 ; pad.28@57.453,84.407 57.458,85.175 58.218,85.935 C281.2 58.091,86.418 57.583,86.926 ; v2(57.939,75.216) 57.939,75.369 58.091,75.521 58.091,76.969 57.558,77.502 C131.2@57.456,77.502 ; pad.12@57.953,78.87 57.958,78.169 58.802,77.325 C121.2 59.082,77.147 59.666,76.563 v2(59.666,76.232) ; pad.5@60.474,81.397 60.479,81.397 C51.2@61.667,81.401 ; pad.1@60.474,83.397 61.082,84.005 ; v2(60.631,84.437) 61.063,84.005 61.082,84.005 ; C11_1.2 61.082,84.005 ; C51.2 61.756,81.401 C51.2@61.749,81.401 ; 63.755,80.229 62.839,80.229 C51.2@61.667,81.401 ; C151.2@55.678,77.579 C151.2 55.678,77.756 ; C151.2@55.678,77.579 55.678,77.756 ; C51.2@61.667,81.401 C51.2@61.749,81.401 ; C51.2@61.667,81.401 C51.2@61.749,81.401
  Bottom Layer w0.305: R322.2 v2(64.34,90.101)
  Bottom Layer w0.508: 63.755,80.169 65.508,78.417 65.508,76.994 C52.1 65.483,76.994 U2.5 ; 63.806,80.195 66.549,80.195 68.937,77.807 L1_1.2 69.597,78.747 C53.1
VCC_GPS: 
VCC_IO_GPS: 
VCC_REF_GPS: GPS.14 R14.2
VFB_B1: B1.4 R5.1 R6.1
VFB_B2: B2.4 R1.1 R2.1
VIN_B1: B1.3 B2.3 BAT.3 C6.2 C7.1 C8.1 C10.1 C11.1 C12.2 R3.2 R4.1 | length 1.5
  Top Layer w0.254: R3.2 89.154,84.963 v1(89.662,85.471)
  other v1: 89.408,58.166
VIN_B2: 
pads on no net: AMP.1 AMP.4 BAT.5 BAT.6 BAT.MH1 BAT.MH2 CAM.4 CAM.5 CAM_SPI.5 CAM_SPI.6 GPS.1 GPS.4 GPS.5 GPS.9 GPS.10 GPS.12 GPS.13 GPS.15 GPS.16 GPS.17 GPS.18 SD.1 SD.2 SD.9 SD.10 SD.11 SD.12 SD.13 STM32.1 STM32.2 STM32.3 STM32.4 STM32.5 STM32.6 STM32.7 STM32.8 STM32.9 STM32.12 STM32.13 STM32.15 STM32.16 STM32.17 STM32.18 STM32.19 STM32.20 STM32.21 STM32.22 STM32.23 STM32.32 STM32.33 STM32.34 STM32.35 STM32.36 STM32.37 STM32.38 STM32.39 STM32.40 STM32.41 STM32.42 STM32.43 STM32.44 STM32.45 STM32.48 STM32.51 STM32.52 STM32.55 STM32.56 STM32.57 STM32.58 STM32.59 STM32.60 STM32.61 STM32.62 STM32.63 STM32.64 STM32.65 STM32.66 STM32.67 STM32.68 STM32.69 STM32.70 STM32.71 STM32.73 STM32.77 STM32.78 STM32.79 STM32.80 STM32.81 STM32.82 STM32.83 STM32.84 STM32.85 STM32.86 STM32.87 STM32.88 STM32.89 STM32.90 STM32.91 STM32.94 STM32.95 STM32.96 STM32.97 STM32.98 T1.5 T1.6 T1.7 T1.8 T1.9 T1.10 T1.13 T1.14 T1.15 T1.16

## Polygon pours and split planes (outlines as drawn)
GND on Top Layer "GND" (solid, pour order 6): 0,0 92.456,0 92.456,92.456 0,92.456
GND on Bottom Layer "GND" (solid, pour order 7): 0,0 92.456,0 92.456,92.456 0,92.456

## Keep-outs
Top Layer:
  rectangle: 67.53,41.5 95.47,48.5
  rectangle: -2.97,41.5 24.97,48.5
Bottom Layer:
  rectangle: -2.97,41.5 24.97,48.5
  rectangle: 67.53,41.5 95.47,48.5

## Other copper
Bottom Layer:
  pour cut-out: 65.151,92.075 71.148,86.078 71.148,67.183 52.098,48.133 41.275,48.133 39.243,50.165 39.243,89.729 41.589,92.075

## Silkscreen, mask and mechanical layers (free items; w line width, h text height)
Top Overlay:
  text "VCC" at 61.214,4.572 h0.7
  text "NRST" at 65.024,4.572 h0.7
  text "SWCLK" at 68.707,4.572 h0.7
  text "GND" at 63.373,0.508 h0.7
  text "SWDIO" at 66.802,0.508 h0.7